# KiCad board tc2-panelized.kicad_pcb (continued)
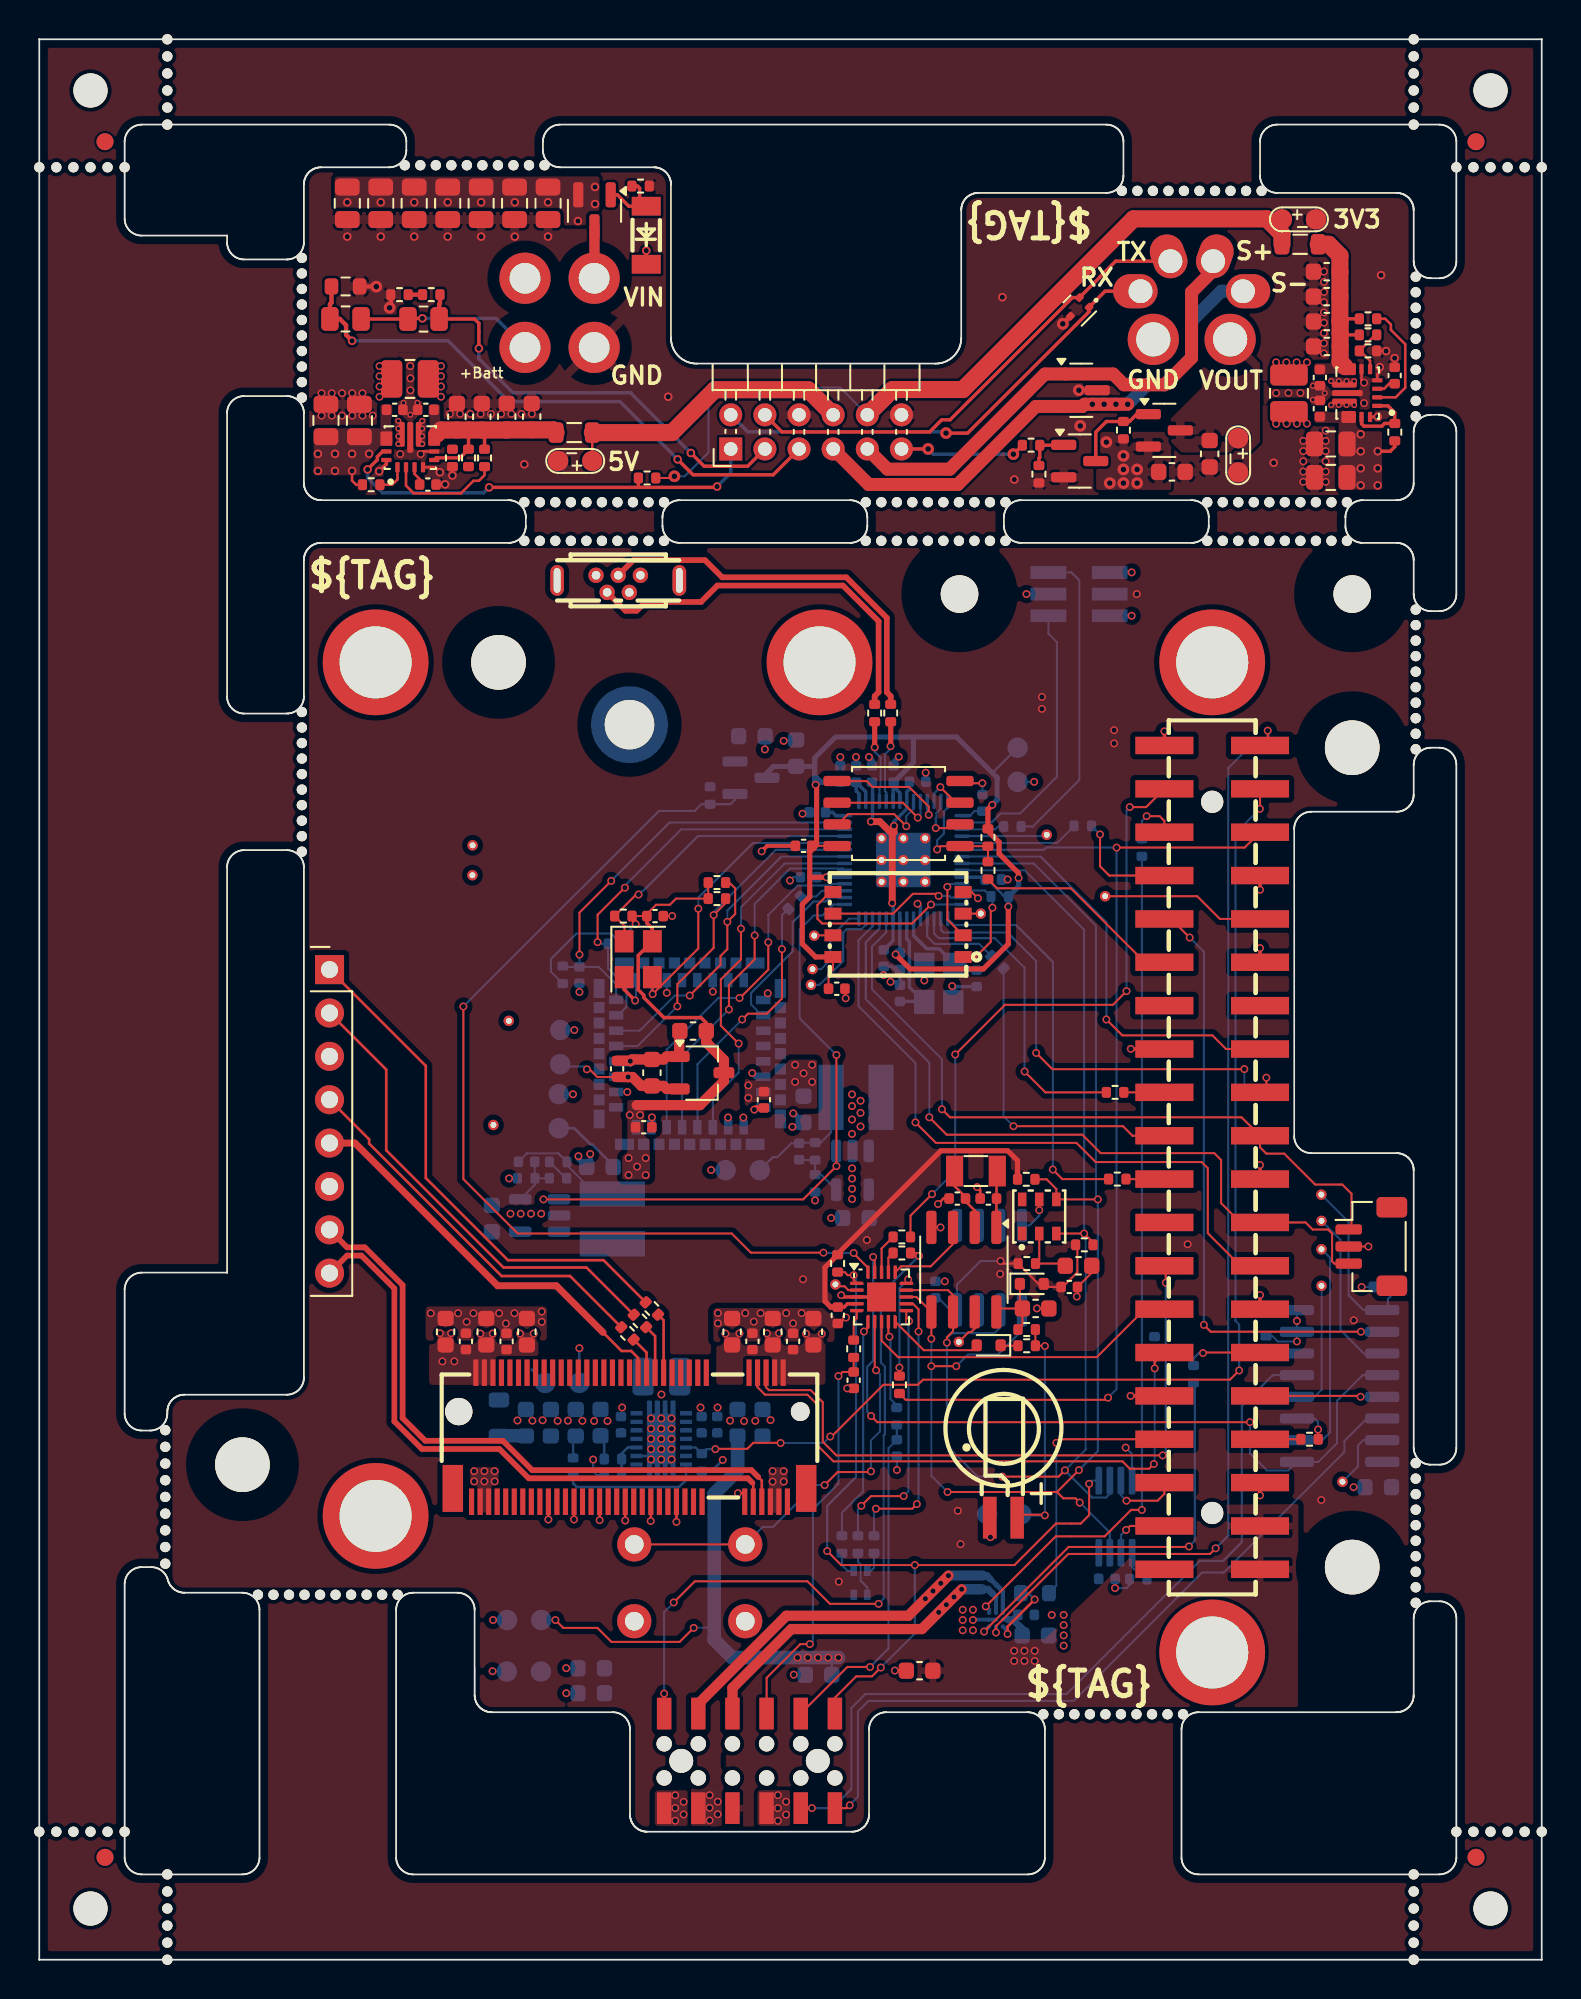
[diagram p0: board, top side]
## Placement (name value [footprint] x y rotation side) (continued)
KiKit_MB_7_7  -  [NPTH]  15.38 69.45 0 top
KiKit_MB_7_8  -  [NPTH]  15.38 70.36 0 top
KiKit_MB_7_9  -  [NPTH]  15.38 71.27 0 top
KiKit_MB_7_10  -  [NPTH]  15.38 72.18 0 top
KiKit_MB_7_11  -  [NPTH]  15.38 73.09 0 top
KiKit_MB_8_2  -  [NPTH]  20.99 21.38 0 top
KiKit_MB_8_3  -  [NPTH]  20.08 21.38 0 top
KiKit_MB_8_4  -  [NPTH]  19.17 21.38 0 top
KiKit_MB_8_5  -  [NPTH]  18.26 21.38 0 top
KiKit_MB_8_6  -  [NPTH]  17.35 21.38 0 top
KiKit_MB_8_7  -  [NPTH]  16.45 21.38 0 top
KiKit_MB_8_8  -  [NPTH]  15.54 21.38 0 top
KiKit_MB_8_9  -  [NPTH]  14.63 21.38 0 top
KiKit_MB_8_10  -  [NPTH]  13.72 21.38 0 top
KiKit_MB_8_11  -  [NPTH]  12.81 21.38 0 top
KiKit_MB_9_2  -  [NPTH]  48.41 83.12 0 top
KiKit_MB_9_3  -  [NPTH]  49.32 83.12 0 top
KiKit_MB_9_4  -  [NPTH]  50.23 83.12 0 top
KiKit_MB_9_5  -  [NPTH]  51.14 83.12 0 top
KiKit_MB_9_6  -  [NPTH]  52.05 83.12 0 top
KiKit_MB_9_7  -  [NPTH]  52.95 83.12 0 top
KiKit_MB_9_8  -  [NPTH]  53.86 83.12 0 top
KiKit_MB_9_9  -  [NPTH]  54.77 83.12 0 top
KiKit_MB_9_10  -  [NPTH]  55.68 83.12 0 top
KiKit_MB_9_11  -  [NPTH]  56.59 83.12 0 top
KiKit_MB_10_2  -  [NPTH]  56.59 85.38 0 top
KiKit_MB_10_3  -  [NPTH]  55.68 85.38 0 top
KiKit_MB_10_4  -  [NPTH]  54.77 85.38 0 top
KiKit_MB_10_5  -  [NPTH]  53.86 85.38 0 top
KiKit_MB_10_6  -  [NPTH]  52.95 85.38 0 top
KiKit_MB_10_7  -  [NPTH]  52.05 85.38 0 top
KiKit_MB_10_8  -  [NPTH]  51.14 85.38 0 top
KiKit_MB_10_9  -  [NPTH]  50.23 85.38 0 top
KiKit_MB_10_10  -  [NPTH]  49.32 85.38 0 top
KiKit_MB_10_11  -  [NPTH]  48.41 85.38 0 top
KiKit_MB_11_2  -  [NPTH]  80.62 98.59 0 top
KiKit_MB_11_3  -  [NPTH]  80.62 97.68 0 top
KiKit_MB_11_4  -  [NPTH]  80.62 96.77 0 top
KiKit_MB_11_5  -  [NPTH]  80.62 95.86 0 top
KiKit_MB_11_6  -  [NPTH]  80.62 94.95 0 top
KiKit_MB_11_7  -  [NPTH]  80.62 94.05 0 top
KiKit_MB_11_8  -  [NPTH]  80.62 93.14 0 top
KiKit_MB_11_9  -  [NPTH]  80.62 92.23 0 top
KiKit_MB_11_10  -  [NPTH]  80.62 91.32 0 top
KiKit_MB_11_11  -  [NPTH]  80.62 90.41 0 top
KiKit_MB_12_2  -  [NPTH]  36.59 85.38 0 top
KiKit_MB_12_3  -  [NPTH]  35.68 85.38 0 top
KiKit_MB_12_4  -  [NPTH]  34.77 85.38 0 top
KiKit_MB_12_5  -  [NPTH]  33.86 85.38 0 top
KiKit_MB_12_6  -  [NPTH]  32.95 85.38 0 top
KiKit_MB_12_7  -  [NPTH]  32.05 85.38 0 top
KiKit_MB_12_8  -  [NPTH]  31.14 85.38 0 top
KiKit_MB_12_9  -  [NPTH]  30.23 85.38 0 top
KiKit_MB_12_10  -  [NPTH]  29.32 85.38 0 top
KiKit_MB_12_11  -  [NPTH]  28.41 85.38 0 top
KiKit_MB_13_2  -  [NPTH]  63.41 103.62 0 top
KiKit_MB_13_3  -  [NPTH]  64.32 103.62 0 top
KiKit_MB_13_4  -  [NPTH]  65.23 103.62 0 top
KiKit_MB_13_5  -  [NPTH]  66.14 103.62 0 top
KiKit_MB_13_6  -  [NPTH]  67.05 103.62 0 top
KiKit_MB_13_7  -  [NPTH]  67.95 103.62 0 top
KiKit_MB_13_8  -  [NPTH]  68.86 103.62 0 top
KiKit_MB_13_9  -  [NPTH]  69.77 103.62 0 top
KiKit_MB_13_10  -  [NPTH]  70.68 103.62 0 top
KiKit_MB_13_11  -  [NPTH]  71.59 103.62 0 top
KiKit_MB_14_2  -  [NPTH]  21.41 105.12 0 top
KiKit_MB_14_3  -  [NPTH]  22.32 105.12 0 top
KiKit_MB_14_4  -  [NPTH]  23.23 105.12 0 top
KiKit_MB_14_5  -  [NPTH]  24.14 105.12 0 top
KiKit_MB_14_6  -  [NPTH]  25.05 105.12 0 top
KiKit_MB_14_7  -  [NPTH]  25.95 105.12 0 top
KiKit_MB_14_8  -  [NPTH]  26.86 105.12 0 top
KiKit_MB_14_9  -  [NPTH]  27.77 105.12 0 top
KiKit_MB_14_10  -  [NPTH]  28.68 105.12 0 top
KiKit_MB_14_11  -  [NPTH]  29.59 105.12 0 top
KiKit_MB_15_2  -  [NPTH]  15.38 91.51 0 top
KiKit_MB_15_3  -  [NPTH]  15.38 92.42 0 top
KiKit_MB_15_4  -  [NPTH]  15.38 93.33 0 top
KiKit_MB_15_5  -  [NPTH]  15.38 94.24 0 top
KiKit_MB_15_6  -  [NPTH]  15.38 95.15 0 top
KiKit_MB_15_7  -  [NPTH]  15.38 96.05 0 top
KiKit_MB_15_8  -  [NPTH]  15.38 96.96 0 top
KiKit_MB_15_9  -  [NPTH]  15.38 97.87 0 top
KiKit_MB_15_10  -  [NPTH]  15.38 98.78 0 top
KiKit_MB_15_11  -  [NPTH]  15.38 99.69 0 top
KiKit_MB_16_2  -  [NPTH]  76.59 85.38 0 top
KiKit_MB_16_3  -  [NPTH]  75.68 85.38 0 top
KiKit_MB_16_4  -  [NPTH]  74.77 85.38 0 top
KiKit_MB_16_5  -  [NPTH]  73.86 85.38 0 top
KiKit_MB_16_6  -  [NPTH]  72.95 85.38 0 top
KiKit_MB_16_7  -  [NPTH]  72.05 85.38 0 top
KiKit_MB_16_8  -  [NPTH]  71.14 85.38 0 top
KiKit_MB_16_9  -  [NPTH]  70.23 85.38 0 top
KiKit_MB_16_10  -  [NPTH]  69.32 85.38 0 top
KiKit_MB_16_11  -  [NPTH]  68.41 85.38 0 top
KiKit_MB_17_1  -  [NPTH]  7.5 112.5 0 top
KiKit_MB_17_2  -  [NPTH]  7.5 111.5 0 top
KiKit_MB_17_3  -  [NPTH]  7.5 110.5 0 top
KiKit_MB_17_4  -  [NPTH]  7.5 109.5 0 top
KiKit_MB_17_5  -  [NPTH]  7.5 108.5 0 top
KiKit_MB_17_6  -  [NPTH]  7.5 107.5 0 top
KiKit_MB_18_1  -  [NPTH]  80.5 112.5 0 top
KiKit_MB_18_2  -  [NPTH]  80.5 111.5 0 top
KiKit_MB_18_3  -  [NPTH]  80.5 110.5 0 top
KiKit_MB_18_4  -  [NPTH]  80.5 109.5 0 top
KiKit_MB_18_5  -  [NPTH]  80.5 108.5 0 top
KiKit_MB_18_6  -  [NPTH]  80.5 107.5 0 top
KiKit_MB_19_1  -  [NPTH]  7.5 5 0 top
KiKit_MB_19_2  -  [NPTH]  7.5 4 0 top
KiKit_MB_19_3  -  [NPTH]  7.5 3 0 top
KiKit_MB_19_4  -  [NPTH]  7.5 2 0 top
KiKit_MB_19_5  -  [NPTH]  7.5 1 0 top
KiKit_MB_19_6  -  [NPTH]  7.5 0 0 top
KiKit_MB_20_1  -  [NPTH]  80.5 5 0 top
KiKit_MB_20_2  -  [NPTH]  80.5 4 0 top
KiKit_MB_20_3  -  [NPTH]  80.5 3 0 top
KiKit_MB_20_4  -  [NPTH]  80.5 2 0 top
KiKit_MB_20_5  -  [NPTH]  80.5 1 0 top
KiKit_MB_20_6  -  [NPTH]  80.5 0 0 top
KiKit_MB_21_1  -  [NPTH]  0 105 0 top
KiKit_MB_21_2  -  [NPTH]  1 105 0 top
KiKit_MB_21_3  -  [NPTH]  2 105 0 top
KiKit_MB_21_4  -  [NPTH]  3 105 0 top
KiKit_MB_21_5  -  [NPTH]  4 105 0 top
KiKit_MB_21_6  -  [NPTH]  5 105 0 top
KiKit_MB_22_1  -  [NPTH]  0 7.5 0 top
KiKit_MB_22_2  -  [NPTH]  1 7.5 0 top
KiKit_MB_22_3  -  [NPTH]  2 7.5 0 top
KiKit_MB_22_4  -  [NPTH]  3 7.5 0 top
KiKit_MB_22_5  -  [NPTH]  4 7.5 0 top
KiKit_MB_22_6  -  [NPTH]  5 7.5 0 top
KiKit_MB_23_1  -  [NPTH]  83 105 0 top
KiKit_MB_23_2  -  [NPTH]  84 105 0 top
KiKit_MB_23_3  -  [NPTH]  85 105 0 top
KiKit_MB_23_4  -  [NPTH]  86 105 0 top
KiKit_MB_23_5  -  [NPTH]  87 105 0 top
KiKit_MB_23_6  -  [NPTH]  88 105 0 top
KiKit_MB_24_1  -  [NPTH]  83 7.5 0 top
KiKit_MB_24_2  -  [NPTH]  84 7.5 0 top
KiKit_MB_24_3  -  [NPTH]  85 7.5 0 top
KiKit_MB_24_4  -  [NPTH]  86 7.5 0 top
KiKit_MB_24_5  -  [NPTH]  87 7.5 0 top
KiKit_MB_24_6  -  [NPTH]  88 7.5 0 top
KiKit_TO_1  -  [NPTH#2]  3 109.5 0 top
KiKit_TO_2  -  [NPTH#2]  85 109.5 0 top
KiKit_TO_3  -  [NPTH#2]  3 3 0 top
KiKit_TO_4  -  [NPTH#2]  85 3 0 top

## Library data of the parts
Board_0-BT1 = -: LCSC: C80909
Board_0-C1 Board_0-C2 Board_0-C5 Board_0-C6 Board_0-C8 Board_0-C10-Board_0-C16 Board_0-C19 Board_0-C20 Board_0-C22 Board_0-C24 Board_0-C27 Board_0-C29 Board_0-C36 Board_0-C45 Board_0-C47 Board_0-C48 Board_0-C50 Board_0-C51 = -: LCSC: C16772
Board_0-C3 Board_0-C4 Board_0-C32 Board_0-C40-Board_0-C42 Board_0-C44 Board_0-C46 Board_0-C56 = -: LCSC: C1547
Board_0-C7 Board_0-C9 Board_0-C17 = -: LCSC: C52923
Board_0-C18 Board_0-C21 Board_0-C23 Board_0-C25 Board_0-C26 Board_0-C28 Board_0-C30 Board_0-C31 Board_0-C37-Board_0-C39 Board_0-C43 Board_1-C1 Board_1-C3 = -: LCSC: C19702
Board_0-C33-Board_0-C35 Board_0-C49 Board_0-C52-Board_0-C55 Board_0-C57-Board_0-C60 Board_0-C62 Board_0-C64-Board_0-C66 Board_1-C8-Board_1-C11 Board_1-C17-Board_1-C20 = -: LCSC: C86295
Board_0-C61 Board_0-C63 = -: Description: Unpolarized capacitor, small symbol; LCSC: C1555
Board_0-D2 Board_0-D3 = -: LCSC: C668989; Sim.Pins: 1=K 2=A
Board_0-FB1 Board_1-FB1 Board_1-FB2 = -: LCSC: C76818
Board_0-J1 Board_0-J2 Board_0-J5 Board_0-J6 Board_0-J8 = -: Description: Generic screw terminal, single row, 01x01, script generated (kicad-library-utils/schlib/autogen/connector/); LCSC: C2915630
Board_0-J3 = -: LCSC: C160389
Board_0-J4 = -: Datasheet: https://www.raspberrypi.org/documentation/hardware/raspberrypi/schematics/rpi_SCH_3bplus_1p0_reduced.pdf; Description: expansion header for Raspberry Pi 2 & 3; LCSC: C2685098
Board_0-J7 = -: Description: Generic screw terminal, single row, 01x01, script generated (kicad-library-utils/schlib/autogen/connector/); LCSC: C2928176
Board_0-J9 = -: LCSC: C3975129
Board_0-J10 = -: Digikey: BF100-12-A-D-1-0640-L-C; LCSC: C6470934
Board_0-J12 = -: Description: USB Micro Type B connector; LCSC: C145795
Board_0-L1 Board_0-L2 = -: LCSC: C354574
Board_0-L3 = -: LCSC: C285917
Board_0-LED1 = -: JLC Part: Extended Part; Manufacturer: 国星光电; LCSC: C2874115
Board_0-Q1 Board_1-Q1 Board_1-Q2 = -: LCSC: C15127
Board_0-R1 Board_0-R7 Board_0-R8 Board_0-R15 Board_0-R35 Board_0-R37 Board_0-R46 Board_0-R53 Board_1-R2 = -: LCSC: C11702
Board_0-R3-Board_0-R5 Board_0-R39 = -: LCSC: C38941
Board_0-R6 Board_0-R9 Board_0-R13 Board_0-R18 Board_0-R19 Board_0-R21-Board_0-R24 Board_0-R36 Board_0-R38 Board_0-R41 Board_0-R44 Board_0-R47 Board_0-R52 Board_1-R1 Board_1-R3 Board_1-R4 Board_1-R9 Board_1-R14 Board_1-R18 = -: LCSC: C25741
Board_0-R10 Board_0-R11 Board_0-R33 Board_0-R40 Board_0-R49 Board_1-R12 Board_1-R16 = -: LCSC: C25744
Board_0-R12 = -: LCSC: C22935
Board_0-R14 Board_0-R16 Board_0-R25-Board_0-R32 Board_0-R34 Board_0-R48 Board_0-R50 Board_0-R51 = -: LCSC: C25092
Board_0-R17 = -: LCSC: C25741; MPN: RC1005F103CS
Board_0-R20 = -: LCSC: C2943536
Board_0-R42 Board_0-R43 = -: LCSC: C26083
Board_0-R45 = -: LCSC: C25755
Board_0-SW1 = -: Description: Push button switch, generic, two pins
Board_0-U1 = -: Datasheet: http://ww1.microchip.com/downloads/en/DeviceDoc/ATtiny3216_ATtiny1616-data-sheet-40001997B.pdf; LCSC: C507118
Board_0-U2 = -: Datasheet: http://www.winbond.com/resource-files/w25q128jv_dtr%20revc%2003272018%20plus.pdf; LCSC: C97521
Board_0-U3 = -: Datasheet: https://datasheets.raspberrypi.com/rp2040/rp2040-datasheet.pdf; LCSC: C2040
Board_0-U4 = -: Datasheet: https://lcsc.com/product-detail/FLASH_Micron-Tech-MT29F2G01ABAGDWB-IT-G_C410863.html; JLC Part: Extended Part; Manufacturer: micron(镁光); LCSC: C410863
Board_0-U5 = -: Datasheet: https://www.ti.com/lit/ds/symlink/tps63020.pdf?HQS=dis-dk-null-digikeymode-dsf-pf-null-wwe&ts=1663326350484&ref_url=https%253A%252F%252Fwww.ti.com%252Fgeneral%252Fdocs%252Fsuppproductinfo.tsp%253FdistId%253D10%2526gotoUrl%253Dhttps%253A%252F%252Fwww.ti.com%252Flit%252Fgpn%252Ftps63020; LCSC: C15483
Board_0-U6 = -: Datasheet: https://www.nxp.com/docs/en/data-sheet/PCF8563.pdf; LCSC: C7440
Board_0-U7 = -: Datasheet: https://datasheet.lcsc.com/lcsc/1912111437_MICRONE-Nanjing-Micro-One-Elec-ME6216A28XG_C427601.pdf; LCSC: C427601
Board_0-U8 = -: Datasheet: https://cdn.sparkfun.com/datasheets/Sensors/Infrared/FLIR_Lepton_Data_Brief.pdf; LCSC: C585422; MPN: 1050281001
Board_0-U9 = -: Datasheet: https://datasheet.lcsc.com/lcsc/1810271633_SJK-SHENZHEN-CRYSTAL-TECH-3N25000G33YC_C252341.pdf; LCSC: C252341
Board_0-U10 Board_0-U11 = -: Datasheet: https://datasheet.lcsc.com/lcsc/1810182213_Techcode-Semicon-TD6810_C16510.pdf; LCSC: C16510
Board_0-U12 = -: LCSC: C2761526
Board_0-U13 = -: LCSC: C2757850
Board_0-U14 = -: JLC Part: Extended Part; Manufacturer: ADI(亚德诺); LCSC: C2682619
Board_0-U15 = -: Datasheet: https://lcsc.com/product-detail/Analog-Switches_AiP74HC4052_C111594.html; LCSC: C111594
Board_0-U16 = -: Datasheet: http://www.st.com/content/ccc/resource/technical/document/datasheet/b0/d8/50/40/5a/85/49/6f/DM00071904.pdf/files/DM00071904.pdf/jcr:content/translations/en.DM00071904.pdf; LCSC: C7562
Board_0-U18 = -: Datasheet: https://lcsc.com/product-detail/Interface-ICs_TI_TCA4311ADGKR_TCA4311ADGKR_C130025.html; LCSC: C130025
Board_0-Y1 = -: LCSC: C9002
Board_0-Y2 = -: LCSC: C32346
Board_1-C2 Board_1-C4 Board_1-C5 Board_1-C13 Board_1-C14 Board_1-C22-Board_1-C27 = -: LCSC: C45783
Board_1-C6 Board_1-C15 = -: LCSC: C159814
Board_1-C7 Board_1-C16 = -: LCSC: C15525
Board_1-C12 Board_1-C21 = -: LCSC: C100072
Board_1-D1 = -: LCSC: C7497481
Board_1-D2 = -: Datasheet: https://lcsc.com/product-detail/Others_ON-Semicon_UESD3-3DT5G_ON-Semicon-ON-UESD3-3DT5G_C233435.html; LCSC: C233435
Board_1-D3 = -: Datasheet: http://www.onsemi.com/pub/Collateral/MMBZ5V6ALT1-D.PDF; Description: Double Zener Diode, Common Anode, 225mW, SOT-23; LCSC: C236093
Board_1-J3 = -: Digikey: 2073-BF060-12A-B-0600-0280-0305-L-D-ND; LCSC: C7086099
Board_1-L1 Board_1-L2 = -: LCSC: C2042459
Board_1-Q3 = -: Datasheet: http://www.aosmd.com/pdfs/datasheet/AO3400A.pdf; Description: 30V Vds, 5.7A Id, N-Channel MOSFET, SOT-23; LCSC: C20917
Board_1-R5 Board_1-R6 = -: LCSC: C2984387
Board_1-R7 = -: LCSC: C326722
Board_1-R8 = -: LCSC: C445619
Board_1-R10 = -: LCSC: C445618
Board_1-R11 = -: LCSC: C319591
Board_1-R13 = -: LCSC: C723770
Board_1-U1 = -: Datasheet: https://lcsc.com/product-detail/DC-DC-Converters_TI_TPS63070RNMR_TPS63070RNMR_C109322.html; LCSC Part: C109322; LCSC: C109322
Board_1-U2 = -: Datasheet: https://lcsc.com/product-detail/DC-DC-Converters_TI_TPS63070RNMR_TPS63070RNMR_C109322.html; LCSC Part: C2876599; LCSC: C2876599

## Footprints (pads in the part's own frame, mm; a bottom-side part is the same pattern mirrored in y, then rotated)
C_0402_1005Metric
  rrect 0.56x0.62 smd: 1(-0.48,0) 2(0.48,0)
C_0603_1608Metric
  rrect 0.9x0.95 smd: 1(-0.775,0) 2(0.775,0)
C_0805_2012Metric
  rrect 1x1.45 smd: 1(-0.95,0) 2(0.95,0)
CAP-SMD_FL11E
  rect 2.45x0.79 smd: 1(0.175,0.805)
  rect 2.45x0.8 smd: 2(0.175,-0.8)
Crystal_SMD_3215-2Pin_3.2x1.5mm
  rect 1x1.8 smd: 1(1.25,0) 2(-1.25,0)
Crystal_SMD_3225-4Pin_3.2x2.5mm
  rect 1.4x1.2 smd: 1(-1.1,-0.85) 2(1.1,-0.85) 3(1.1,0.85) 4(-1.1,0.85)
D_SOD-523
  rrect 0.6x0.7 smd: 1(-0.7,0) 2(0.7,0)
Fiducial
  round 1 smd: (0,0)
HDR-SMD_40P-P2.54-V-F-R2-C20-LS8.2-EH
  round 1.3 hole 1.3 unplated: (0,20.83) (0,-20.83)
  rect 3.4x1.02 smd: 1(2.8,24.13) 2(-2.8,24.13) 3(2.8,21.59) 4(-2.8,21.59) 5(2.8,19.05) 6(-2.8,19.05) 7(2.8,16.51) 8(-2.8,16.51) 9(2.8,13.97) 10(-2.8,13.97) 11(2.8,11.43) 12(-2.8,11.43) 13(2.8,8.89) 14(-2.8,8.89) 15(2.8,6.35) 16(-2.8,6.35) 17(2.8,3.81) 18(-2.8,3.81) 19(2.8,1.27) 20(-2.8,1.27) 21(2.8,-1.27) 22(-2.8,-1.27) 23(2.8,-3.81) 24(-2.8,-3.81) 25(2.8,-6.35) 26(-2.8,-6.35) 27(2.8,-8.89) 28(-2.8,-8.89) 29(2.8,-11.43) 30(-2.8,-11.43) 31(2.8,-13.97) 32(-2.8,-13.97) 33(2.8,-16.51) 34(-2.8,-16.51) 35(2.8,-19.05) 36(-2.8,-19.05) 37(2.8,-21.59) 38(-2.8,-21.59) 39(2.8,-24.13) 40(-2.8,-24.13)
IND-SMD_L4.0-W4.0_SWPA4018S
  rect 1.48x3.82 smd: 1(1.46,0) 2(-1.46,0)
jcon-2+4pin-m16
  round 3 hole 2: 1(-2.25,-1.58) 6(2.25,-1.58)
  oval 2.6x2 hole 1.4: 2(-3,1.24) 5(3,1.24)
  oval 2.6x2 hole 1.4 rot 110: 3(-1.25,3)
  oval 2x2.6 hole 1.4 rot 160: 4(1.25,3)
jcon-4pin_m16
  round 3 hole 1.8: 1(-2.025,-2.025) 2(2.025,-2.025) 3(2.025,2.025) 4(-2.025,2.025)
JST_SH_BM03B-SRSS-TB_1x03-1MP_P1.00mm_Vertical
  rrect 0.6x1.55 smd: 1(-1,-1.325) 2(0,-1.325) 3(1,-1.325)
  rrect 1.2x1.8 smd: MP_1(2.3,1.2) MP_2(-2.3,1.2)
L_0805_2012Metric
  rrect 0.875x1.2 smd: 1(-1.062,0) 2(1.062,0)
L_1008_2520Metric
  rrect 1.25x2.2 smd: 1(-1.075,0) 2(1.075,0)
LED-ARRAY-SMD_4P-L1.6-W1.5-TL_NH-B1515RGBA
  rect 0.6x0.4 smd: 1(-0.7,0.4) 2(0.7,0.4) 3(0.7,-0.4) 4(-0.7,-0.4)
LL-34_L3.5-W1.5-RD
  rect 1.1x1.7 smd: 1(-1.7,0) 2(1.7,0)
M2_modem_mount_screw
  round 3.1 hole 2.9: 1(0,0)
  round 4.5 smd: 1(0,0)
M.2
  round 1.1 hole 1.1 unplated: (-10,-1.5)
  round 1.6 hole 1.6 unplated: (10,-1.5)
  rect 0.3x1.55 smd: 1(-9.25,3.78) 2(-9,-3.78) 3(-8.75,3.78) 4(-8.5,-3.78) 5(-8.25,3.78) 6(-8,-3.78) 7(-7.75,3.78) 8(-7.5,-3.78) 9(-7.25,3.78) 10(-7,-3.78) 11(-6.75,3.78) 20(-4.5,-3.78) 21(-4.25,3.78) 22(-4,-3.78) 23(-3.75,3.78) 24(-3.5,-3.78) 25(-3.25,3.78) 26(-3,-3.78) 27(-2.75,3.78) 28(-2.5,-3.78) 29(-2.25,3.78) 30(-2,-3.78) 31(-1.75,3.78) 32(-1.5,-3.78) 33(-1.25,3.78) 34(-1,-3.78) 35(-0.75,3.78) 36(-0.5,-3.78) 37(-0.25,3.78) 38(0,-3.78) 39(0.25,3.78) 40(0.5,-3.78) 41(0.75,3.78) 42(1,-3.78) 43(1.25,3.78) 44(1.5,-3.78) 45(1.75,3.78) 46(2,-3.78) 47(2.25,3.78) 48(2.5,-3.78) 49(2.75,3.78) 50(3,-3.78) 51(3.25,3.78) 52(3.5,-3.78) 53(3.75,3.78) 54(4,-3.78) 55(4.25,3.78) 56(4.5,-3.78) 57(4.75,3.78) 58(5,-3.78) 59(5.25,3.78) 60(5.5,-3.78) 61(5.75,3.78) 62(6,-3.78) 63(6.25,3.78) 64(6.5,-3.78) 65(6.75,3.78) 66(7,-3.78) 67(7.25,3.78) 68(7.5,-3.78) 69(7.75,3.78) 70(8,-3.78) 71(8.25,3.78) 72(8.5,-3.78) 73(8.75,3.78) 74(9,-3.78) 75(9.25,3.78)
  rect 1.2x2.75 smd: 76(10.35,3) 77(-10.35,3)
mic-pcb
  rect 2.1x0.75 smd: 1(1.8,1.27) 2(-1.8,1.27) 3(1.8,0) 4(-1.8,0) 5(1.8,-1.27) 6(-1.8,-1.27)
MICRO-USB-TH_MICRO-USB-A14
  round 0.9 hole 0.5: 1(-1.3,0.5) 2(-0.65,-0.5) 3(0,0.5) 4(0.65,-0.5) 5(1.3,0.5)
  oval 0.8x1.8 hole 0.4x1.45: 6(-3.58,0.2) 6(3.58,0.2)
MOLEX_105028-1001
  rect 0.65x1.1 smd: (-5.305,-3.825) (-5.305,3.825) (5.305,-3.825) (5.305,3.825)
  rect 0.65x0.65 smd: (-5.305,-2.7) (-5.305,-1.8) (-5.305,-0.9) (-5.305,0) (-5.305,0.9) (-5.305,1.8) (-5.305,2.7) (-2.7,-5.305) (-2.7,5.305) (-1.8,-5.305) (-1.8,5.305) (-0.9,-5.305) (-0.9,5.305) (0,-5.305) (0,5.305) (0.9,-5.305) (0.9,5.305) (1.8,-5.305) (1.8,5.305) (2.7,-5.305) (2.7,5.305) (5.305,-2.7) (5.305,-1.8) (5.305,-0.9) (5.305,0) (5.305,0.9) (5.305,1.8) (5.305,2.7)
  rect 1.1x0.65 smd: (-3.825,-5.305) (-3.825,5.305) (3.825,-5.305) (3.825,5.305)
  rect 0.84x0.5 smd: 1(-4.31,3.15) 2(-4.31,2.25) 3(-4.31,1.35) 4(-4.31,0.45) 5(-4.31,-0.45) 6(-4.31,-1.35) 7(-4.31,-2.25) 8(-4.31,-3.15) 17(4.31,-3.15) 18(4.31,-2.25) 19(4.31,-1.35) 20(4.31,-0.45) 21(4.31,0.45) 22(4.31,1.35) 23(4.31,2.25) 24(4.31,3.15)
  rect 0.5x0.84 smd: 9(-3.15,-4.31) 10(-2.25,-4.31) 11(-1.35,-4.31) 12(-0.45,-4.31) 13(0.45,-4.31) 14(1.35,-4.31) 15(2.25,-4.31) 16(3.15,-4.31) 25(3.15,4.31) 26(2.25,4.31) 27(1.35,4.31) 28(0.45,4.31) 29(-0.45,4.31) 30(-1.35,4.31) 31(-2.25,4.31) 32(-3.15,4.31)
MountingHole_2.2mm_M2
  round 4.4 hole 2.2 unplated: (0,0)
MountingHole_3.2mm_M3
  round 6.4 hole 3.2 unplated: (0,0)
MSOP-8_3x3mm_P0.65mm
  rrect 1.625x0.4 smd: 1(-2.112,0.975) 2(-2.112,0.325) 3(-2.112,-0.325) 4(-2.112,-0.975) 5(2.112,-0.975) 6(2.112,-0.325) 7(2.112,0.325) 8(2.112,0.975)
NPTH
  round 0.6 hole 0.6 unplated: (0,0)
NPTH#2
  round 2 hole 2 unplated: (0,0)
Oscillator_SMD_Abracon_ASE-4Pin_3.2x2.5mm
  rect 1.3x1.1 smd: 1(-1.05,-0.825) 2(1.05,-0.825) 3(1.05,0.825) 4(-1.05,0.825)
PinHeader_2x06_P2.00mm_Horizontal
  rect 1.35x1.35 hole 0.8: 1(0,0)
  oval 1.35x1.35 hole 0.8: 2(2,0) 3(0,-2) 4(2,-2) 5(0,-4) 6(2,-4) 7(0,-6) 8(2,-6) 9(0,-8) 10(2,-8) 11(0,-10) 12(2,-10)
power-pcb-3.1
  round 0.9 hole 0.9 unplated: (-5,1) (-5,-1) (-3,1) (-3,-1) (-1,1) (-1,-1) (1,1) (1,-1) (3,1) (3,-1) (5,1) (5,-1)
  round 1.4 hole 1.4 unplated: (-4,0) (4,0)
  rrect 0.85x1.86 smd: 1(-5,-2.77) 2(-5,2.77) 3(-3,-2.77) 4(-3,2.77) 5(-1,-2.77) 6(-1,2.77) 7(1,-2.77) 8(1,2.77) 9(3,-2.77) 10(3,2.77) 11(5,-2.77) 12(5,2.77)
R_0402_1005Metric
  rrect 0.54x0.64 smd: 1(-0.51,0) 2(0.51,0)
R_0603_1608Metric
  rrect 0.8x0.95 smd: 1(-0.825,0) 2(0.825,0)
R_0805_2012Metric
  rrect 1.025x1.4 smd: 1(-0.912,0) 2(0.912,0)
RP2040-QFN-56
  rrect 1.084x1.084 smd: (-0.637,-0.637) (-0.637,0.637) (0.637,-0.637) (0.637,0.637)
  rrect 0.875x0.2 smd: 1(-3.438,2.6) 2(-3.438,2.2) 3(-3.438,1.8) 4(-3.438,1.4) 5(-3.438,1) 6(-3.438,0.6) 7(-3.438,0.2) 8(-3.438,-0.2) 9(-3.438,-0.6) 10(-3.438,-1) 11(-3.438,-1.4) 12(-3.438,-1.8) 13(-3.438,-2.2) 14(-3.438,-2.6) 29(3.438,-2.6) 30(3.438,-2.2) 31(3.438,-1.8) 32(3.438,-1.4) 33(3.438,-1) 34(3.438,-0.6) 35(3.438,-0.2) 36(3.438,0.2) 37(3.438,0.6) 38(3.438,1) 39(3.438,1.4) 40(3.438,1.8) 41(3.438,2.2) 42(3.438,2.6)
  rrect 0.2x0.875 smd: 15(-2.6,-3.438) 16(-2.2,-3.438) 17(-1.8,-3.438) 18(-1.4,-3.438) 19(-1,-3.438) 20(-0.6,-3.438) 21(-0.2,-3.438) 22(0.2,-3.438) 23(0.6,-3.438) 24(1,-3.438) 25(1.4,-3.438) 26(1.8,-3.438) 27(2.2,-3.438) 28(2.6,-3.438) 43(2.6,3.438) 44(2.2,3.438) 45(1.8,3.438) 46(1.4,3.438) 47(1,3.438) 48(0.6,3.438) 49(0.2,3.438) 50(-0.2,3.438) 51(-0.6,3.438) 52(-1,3.438) 53(-1.4,3.438) 54(-1.8,3.438) 55(-2.2,3.438) 56(-2.6,3.438)
  round 0.6 hole 0.35: 57(-1.275,-1.275) 57(-1.275,0) 57(-1.275,1.275) 57(0,-1.275) 57(0,0) 57(0,1.275) 57(1.275,-1.275) 57(1.275,0) 57(1.275,1.275)
  rrect 3.2x3.2 smd: 57(0,0)
SENSOR-SMD_L3.0-W3.0-P1.00-BR
  rect 0.8x0.5 smd: 1(1,-1) 2(1,0) 3(1,1) 4(-1,1) 5(-1,0) 6(-1,-1)
sim-usb-pcb
  rect 1.7x1.7 hole 1: 1(0,0)
  oval 1.7x1.7 hole 1: 2(0,-2.54) 3(0,-5.08) 4(0,-7.62) 5(0,-10.16) 6(0,-12.7) 7(0,-15.24) 8(0,-17.78)
smd_nut_SMTSO25
  round 4.42 hole 4.22: 1(0,0)
  round 6.2 smd: 1(0,0)
SOIC-8_3.9x4.9mm_P1.27mm
  rrect 1.95x0.6 smd: 1(-2.475,1.905) 2(-2.475,0.635) 3(-2.475,-0.635) 4(-2.475,-1.905) 5(2.475,-1.905) 6(2.475,-0.635) 7(2.475,0.635) 8(2.475,1.905)
SOIC-8_5.23x5.23mm_P1.27mm
  rrect 1.6x0.6 smd: 1(-3.6,1.905) 2(-3.6,0.635) 3(-3.6,-0.635) 4(-3.6,-1.905) 5(3.6,-1.905) 6(3.6,-0.635) 7(3.6,0.635) 8(3.6,1.905)
SOP-16_3.9x9.9mm_P1.27mm
  rrect 2x0.6 smd: 1(-2.5,4.445) 2(-2.5,3.175) 3(-2.5,1.905) 4(-2.5,0.635) 5(-2.5,-0.635) 6(-2.5,-1.905) 7(-2.5,-3.175) 8(-2.5,-4.445) 9(2.5,-4.445) 10(2.5,-3.175) 11(2.5,-1.905) 12(2.5,-0.635) 13(2.5,0.635) 14(2.5,1.905) 15(2.5,3.175) 16(2.5,4.445)
SOT-23
  rrect 1.475x0.6 smd: 1(-0.938,0.95) 2(-0.938,-0.95) 3(0.938,0)
SOT-723
  rrect 0.45x0.4 smd: 1(-0.575,0.4) 2(-0.575,-0.4) 3(0.575,0)
SW_PUSH_6mm
  round 2 hole 1.1: 1(0,0) 1(6.5,0) 2(0,-4.5) 2(6.5,-4.5)
test-point-2p
  round 1.2 smd: 1(-1,0) 2(1,0)
TP
  round 0.61 hole 0.35: 1(0,0)
TPS63070
  rrect 0.6x0.25 smd: 1(-1.15,0.75) 2(-1.15,0.25) 3(-1.15,-0.25) 4(-1.15,-0.75) 7,8(0.51,-1.225) 12,13(0.51,1.225)
  rrect 0.25x0.6 smd: 5(-0.725,-1.4) 6(-0.225,-1.4) 7,8(0.275,-1.4) 7,8(0.775,-1.4) 12,13(0.275,1.4) 12,13(0.775,1.4) 14(-0.225,1.4) 15(-0.725,1.4)
  rrect 0.85x0.7 smd: 7,8(0.525,-1.4) 12,13(0.525,1.4)
  rrect 0.575x0.25 smd: 9(0.388,-0.5) 9(1.163,-0.5) 11(0.388,0.5) 11(1.163,0.5)
  rrect 1.45x0.35 smd: 9(0.775,-0.5) 11(0.775,0.5)
  rrect 0.72x0.25 smd: 10(0.14,0) 10(1.06,0)
  rrect 1.8x0.35 smd: 10(0.6,0)
TSOT-23
  rrect 1.22x0.65 smd: 1(-1.31,0.95) 2(-1.31,-0.95) 3(1.31,0)
TSOT-23-5
  rrect 1.325x0.6 smd: 1(-1.137,0.95) 2(-1.137,0) 3(-1.137,-0.95) 4(1.137,-0.95) 5(1.137,0.95)
U-PDFN-8_L6.0-W8.0-P1.27-BL
  rect 0.7x1 smd: 1(-1.91,-3.81) 2(-0.64,-3.81) 3(0.63,-3.81) 4(1.9,-3.81) 5(1.9,3.81) 6(0.63,3.81) 7(-0.64,3.81) 8(-1.91,3.81)
VQFN-20-1EP_3x3mm_P0.4mm_EP1.7x1.7mm
  rrect 0.69x0.69 smd: (-0.425,0.425) (-0.425,-0.425) (0.425,0.425) (0.425,-0.425)
  custom 0.8x0.2 smd: 1(-1.45,0.8) 5(-1.45,-0.8) 11(1.45,-0.8) 15(1.45,0.8)
  rrect 0.8x0.2 smd: 2(-1.45,0.4) 3(-1.45,0) 4(-1.45,-0.4) 12(1.45,-0.4) 13(1.45,0) 14(1.45,0.4)
  custom 0.2x0.8 smd: 6(-0.8,-1.45) 10(0.8,-1.45) 16(0.8,1.45) 20(-0.8,1.45)
  rrect 0.2x0.8 smd: 7(-0.4,-1.45) 8(0,-1.45) 9(0.4,-1.45) 17(0.4,1.45) 18(0,1.45) 19(-0.4,1.45)
  rect 1.7x1.7 smd: 21(0,0)
VSON-14_L4.0-W3.0-P0.50-BL-EP_TI_DSJ
  rect 0.25x0.7 smd: 1(-1.5,-1.45) 2(-1,-1.45) 3(-0.5,-1.45) 4(0,-1.45) 5(0.5,-1.45) 6(1,-1.45) 7(1.5,-1.45) 8(1.5,1.45) 9(1,1.45) 10(0.5,1.45) 11(0,1.45) 12(-0.5,1.45) 13(-1,1.45) 14(-1.5,1.45)
  custom 4.5x1.68 smd: 15(0,0)
WLP-9_L1.4-W1.3-P0.40-R3-C3-BR
  round 0.23 smd: A1(0.4,-0.4) A2(0,-0.4) A3(-0.4,-0.4) B1(0.4,0) B2(0,0) B3(-0.4,0) C1(0.4,0.4) C2(0,0.4) C3(-0.4,0.4)

## Nets
Board_0-/modem/3V3_L1: Board_0-L3.1 Board_0-U5.8 Board_0-U5.9
Board_0-/modem/3V3_L2: Board_0-L3.2 Board_0-U5.6 Board_0-U5.7
Board_1-/3V3_L1: Board_1-L1.1 Board_1-U1.11
Board_1-/3V3_L2: Board_1-L1.2 Board_1-U1.9
Board_1-/3V3_PHY: Board_1-C7.1 Board_1-C8.1 Board_1-C9.1 Board_1-C10.1 Board_1-C11.1 Board_1-FB1.1 Board_1-R11.1 Board_1-R14.1 Board_1-U1.7,8
Board_1-/5V_L1: Board_1-L2.1 Board_1-U2.11
Board_1-/5V_L2: Board_1-L2.2 Board_1-U2.9
Board_1-/5V_PHY: Board_1-C16.1 Board_1-C17.1 Board_1-C18.1 Board_1-C19.1 Board_1-C20.1 Board_1-FB2.1 Board_1-R15.1 Board_1-R18.1 Board_1-U2.5 Board_1-U2.7,8
Board_1-/VIN_PHY: Board_1-J1.2 Board_1-Q2.3
Board_0-4G_POWER_ON: Board_0-J4.15 Board_0-U12.6
Board_0-4G_USB_D+: Board_0-J11.7 Board_0-U12.7
Board_0-4G_USB_D-: Board_0-J11.8 Board_0-U12.9
Board_0-5V_EN: Board_0-J10.1 Board_0-R6.1 Board_0-U1.1 Board_0-U18.1
Board_0-+1V1: Board_0-C5.1 Board_0-C6.1 Board_0-C7.1 Board_0-U3.23 Board_0-U3.45 Board_0-U3.50
Board_0-+1V2: Board_0-C19.1 Board_0-C31.1 Board_0-C42.2 Board_0-L2.2 Board_0-R22.2 Board_0-TP8.2 Board_0-U8.7
Board_0-+2V8: Board_0-C22.1 Board_0-C23.1 Board_0-TP5.2 Board_0-U7.2 Board_0-U8.19
Board_0-+3V0: Board_0-C20.1 Board_0-C21.1 Board_0-C24.1 Board_0-C30.1 Board_0-C41.2 Board_0-L1.2 Board_0-R13.1 Board_0-R17.2 Board_0-R18.1 Board_0-R19.1 Board_0-R33.2 Board_0-R36.1 Board_0-TP4.2 Board_0-U7.3 Board_0-U8.16 Board_0-U9.4
Board_0-+3V3: Board_0-C1.2 Board_0-C17.1 Board_0-C25.1 Board_0-C26.1 Board_0-C37.1 Board_0-C43.1 Board_0-C48.2 Board_0-C50.2 Board_0-C65.1 Board_0-C66.1 Board_0-D3.2 Board_0-J9.4 Board_0-J10.10 Board_0-LED1.2 Board_0-Q1.2 Board_0-R6.2 Board_0-R10.1 Board_0-R11.1 Board_0-R24.1 Board_0-R38.2 Board_0-R39.1 Board_0-TP6.2 Board_0-U1.4 Board_0-U10.4 Board_0-U11.4 Board_0-U15.16 Board_0-U16.8 Board_0-U18.8
Board_0-+3V3_rp2040: Board_0-C2.1 Board_0-C8.1 Board_0-C9.1 Board_0-C10.1 Board_0-C11.1 Board_0-C12.1 Board_0-C13.1 Board_0-C14.1 Board_0-C15.1 Board_0-C16.1 Board_0-C38.1 Board_0-Q1.3 Board_0-R2.1 Board_0-R9.2 Board_0-TP3.2 Board_0-U2.8 Board_0-U3.1 Board_0-U3.10 Board_0-U3.22 Board_0-U3.33 Board_0-U3.42 Board_0-U3.43 Board_0-U3.44 Board_0-U3.48 Board_0-U3.49 Board_0-U4.8
Board_0-+3V8: Board_0-C32.2 Board_0-C33.1 Board_0-C34.1 Board_0-C35.1 Board_0-C36.2 Board_0-C40.2 Board_0-C51.2 Board_0-C57.1 Board_0-C58.1 Board_0-C59.1 Board_0-FB1.2 Board_0-TP1.2 Board_0-U12.2 Board_0-U12.4 Board_0-U12.70 Board_0-U12.72 Board_0-U12.74
Board_0-+5V: Board_0-C28.1 Board_0-C29.2 Board_0-C46.2 Board_0-C47.2 Board_0-C54.1 Board_0-C55.1 Board_0-C62.1 Board_0-C64.1 Board_0-J4.2 Board_0-J4.4 Board_0-J10.8 Board_0-TP10.2 Board_0-U5.10 Board_0-U5.11 Board_0-U14.A2
Board_0-/AHT21_VDD: Board_0-C39.1 Board_0-R39.2 Board_0-U13.2
Board_0-/ATtiny1616/ATTINY_PA3: Board_0-TP2.1 Board_0-U1.2
Board_0-/ATtiny1616/ATtiny_SW: Board_0-SW1.1 Board_0-U1.7
Board_0-/ATtiny1616/EN_PERIPH_POWER_PHY: Board_0-R46.1 Board_0-U1.17
Board_0-/ATtiny1616/~{LED_B_PHY}: Board_0-R4.1 Board_0-U1.11
Board_0-/ATtiny1616/~{LED_G_PHY}: Board_0-R3.1 Board_0-U1.12
Board_0-/ATtiny1616/~{LED_R_PHY}: Board_0-R5.1 Board_0-U1.6
Board_0-/ATtiny1616/~{PI_SHUTDOWN_PHY}: Board_0-R35.1 Board_0-U1.18
Board_0-/ATtiny1616/~{READ_ATTINY_CMD_REG_PHY}: Board_0-R15.1 Board_0-U1.15
Board_0-/GPIO2: Board_0-TP12.1 Board_0-U3.4
Board_0-/GPIO16: Board_0-TP26.1 Board_0-U3.27
Board_0-/GPIO17: Board_0-TP27.1 Board_0-U3.28
Board_0-/I2C_BUS_LOCK_PHY: Board_0-R53.2 Board_0-U3.5
Board_0-/Lepton/FB_1V2: Board_0-C42.1 Board_0-R22.1 Board_0-R23.1 Board_0-U11.5
Board_0-/Lepton/FB_3V0: Board_0-C41.1 Board_0-R20.1 Board_0-R21.1 Board_0-U10.5
Board_0-/Lepton/SW_1V2: Board_0-L2.1 Board_0-U11.3
Board_0-/Lepton/SW_3V0: Board_0-L1.1 Board_0-U10.3
Board_0-/MEM_~{HOLD}/IO3: Board_0-TP41.1 Board_0-U4.7
Board_0-/MEM_~{WP}/IO2: Board_0-TP40.1 Board_0-U4.3
Board_0-/modem/MODEM_3V8: Board_0-C45.2 Board_0-C49.1 Board_0-C52.1 Board_0-C53.1 Board_0-C60.1 Board_0-FB1.1 Board_0-R42.1 Board_0-R43.1 Board_0-U5.4 Board_0-U5.5
Board_0-/PDM_CLOCK_PHY: Board_0-R28.1 Board_0-U3.3
Board_0-/Raspberry_Pi/GPIO12: Board_0-J4.32 Board_0-TP22.1
Board_0-/Raspberry_Pi/RPI_SPI_CS_: Board_0-J4.24 Board_0-R31.1
Board_0-/Raspberry_Pi/RPI_SPI_MOSI_: Board_0-J4.19 Board_0-R14.1
Board_0-/Raspberry_Pi/RPI_SPI_SCLK_: Board_0-J4.23 Board_0-R32.1
Board_0-/Raspberry_Pi/~{UART_MULTIPLEX_EN}: Board_0-R41.2 Board_0-U15.6
Board_0-/RPI_SPI_MISO_PHY: Board_0-R48.1 Board_0-U3.18
Board_0-/RTC_BATTERY: Board_0-BT1.1 Board_0-R7.1 Board_0-R8.2 Board_0-TP13.2
Board_0-/RTC_CLKO: Board_0-TP17.1 Board_0-U6.7
Board_0-/RTC_OSCI: Board_0-C63.1 Board_0-U6.1 Board_0-Y2.2
Board_0-/RTC_OSCO: Board_0-C61.1 Board_0-U6.2 Board_0-Y2.1
Board_0-/RTC_VDD: Board_0-C18.1 Board_0-D3.1 Board_0-R8.1 Board_0-U6.8
Board_0-/USB_D+_PHY: Board_0-R50.1 Board_0-U3.47
Board_0-/USB_D-_PHY: Board_0-R51.1 Board_0-U3.46
Board_0-ATtiny_RESET_UPDI: Board_0-U1.19 Board_0-U15.1 Board_0-U15.12
Board_0-BATT_SENSE_HIGH_VOLTAGE_PHY: Board_0-R40.1 Board_0-U1.9
Board_0-BATT_SENSE_HV: Board_0-C44.2 Board_0-J10.3 Board_0-R40.2
Board_0-BATT_SENSE_LOW_VOLTAGE_PHY: Board_0-R49.1 Board_0-U1.5
Board_0-BATT_SENSE_LV: Board_0-C56.2 Board_0-J10.5 Board_0-R49.2
Board_0-BOOT_MODE: Board_0-J4.29 Board_0-R1.2
Board_0-EN_PERIPH_POWER: Board_0-J10.11 Board_0-R46.2
Board_0-GND: Board_0-BT1.2 Board_0-C1.1 Board_0-C2.2 Board_0-C3.1 Board_0-C4.1 Board_0-C5.2 Board_0-C6.2 Board_0-C7.2 Board_0-C8.2 Board_0-C9.2 Board_0-C10.2 Board_0-C11.2 Board_0-C12.2 Board_0-C13.2 Board_0-C14.2 Board_0-C15.2 Board_0-C16.2 Board_0-C17.2 Board_0-C18.2 Board_0-C19.2 Board_0-C20.2 Board_0-C21.2 Board_0-C22.2 Board_0-C23.2 Board_0-C24.2 Board_0-C25.2 Board_0-C26.2 Board_0-C27.2 Board_0-C28.2 Board_0-C29.1 Board_0-C30.2 Board_0-C31.2 Board_0-C32.1 Board_0-C33.2 Board_0-C34.2 Board_0-C35.2 Board_0-C36.1 Board_0-C37.2 Board_0-C38.2 Board_0-C39.2 Board_0-C40.1 Board_0-C43.2 Board_0-C44.1 Board_0-C45.1 Board_0-C46.1 Board_0-C47.1 Board_0-C48.1 Board_0-C49.2 Board_0-C50.1 Board_0-C51.1 Board_0-C52.2 Board_0-C53.2 Board_0-C54.2 Board_0-C55.2 Board_0-C56.1 Board_0-C57.2 Board_0-C58.2 Board_0-C59.2 Board_0-C60.2 Board_0-C61.2 Board_0-C62.2 Board_0-C63.2 Board_0-C64.2 Board_0-C65.2 Board_0-C66.2 Board_0-J3.2 Board_0-J4.6 Board_0-J4.9 Board_0-J4.14 Board_0-J4.20 Board_0-J4.25 Board_0-J4.30 Board_0-J4.34 Board_0-J4.39 Board_0-J9.2 Board_0-J9.3 Board_0-J9.6 Board_0-J10.6 Board_0-J10.12 Board_0-J11.3 Board_0-J11.6 Board_0-J12.5 Board_0-J12.6 Board_0-R21.2 Board_0-R23.2 Board_0-R41.1 Board_0-R44.2 Board_0-R45.2 Board_0-R47.1 Board_0-R52.1 Board_0-SW1.2 Board_0-TP1.1 Board_0-TP3.1 Board_0-TP4.1 Board_0-TP5.1 Board_0-TP6.1 Board_0-TP8.1 Board_0-TP10.1 Board_0-TP13.1 Board_0-TP14.1 Board_0-TP18.1 Board_0-TP19.1 Board_0-TP20.1 Board_0-U1.3 Board_0-U1.21 Board_0-U2.4 Board_0-U3.19 Board_0-U3.57 Board_0-U4.4 Board_0-U5.2 Board_0-U5.15 Board_0-U6.4 Board_0-U7.1 Board_0-U8.1 Board_0-U8.6 Board_0-U8.8 Board_0-U8.9 Board_0-U8.10 Board_0-U8.15 Board_0-U8.18 Board_0-U8.20 Board_0-U8.25 Board_0-U8.27 Board_0-U8.30 Board_0-U9.2 Board_0-U10.2 Board_0-U11.2 Board_0-U12.3 Board_0-U12.5 Board_0-U12.11 Board_0-U12.27 Board_0-U12.33 Board_0-U12.39 Board_0-U12.45 Board_0-U12.51 Board_0-U12.57 Board_0-U12.71 Board_0-U12.73 Board_0-U13.5 Board_0-U14.B2 Board_0-U14.C2 Board_0-U15.7 Board_0-U15.8 Board_0-U16.4 Board_0-U18.4 Board_0-Y1.2 Board_0-Y1.4
Board_0-I2C_BUS_LOCK: Board_0-J4.33 Board_0-R53.1
Board_0-I2S_BCLK: Board_0-R34.1 Board_0-U14.C1
Board_0-I2S_DOUT: Board_0-R30.1 Board_0-U14.B1
Board_0-I2S_LRCLK: Board_0-R29.1 Board_0-U14.C3
Board_0-LEPTON_CLK_EN: Board_0-R17.1 Board_0-U3.39 Board_0-U9.1
Board_0-LEPTON_I2C_SCL: Board_0-R36.2 Board_0-U3.37 Board_0-U8.21
Board_0-LEPTON_I2C_SDA: Board_0-R13.2 Board_0-U3.36 Board_0-U8.22
Board_0-LEPTON_MASTER_CLK: Board_0-U3.38 Board_0-U8.26 Board_0-U9.3
Board_0-LEPTON_POWER_EN: Board_0-U3.29 Board_0-U10.1 Board_0-U11.1
Board_0-LEPTON_PWR_DWN_L: Board_0-R18.2 Board_0-U3.40 Board_0-U8.23
Board_0-LEPTON_RESET_L: Board_0-C27.1 Board_0-R19.2 Board_0-U3.41 Board_0-U8.24
Board_0-LEPTON_SPI_CS: Board_0-U3.32 Board_0-U8.14
Board_0-LEPTON_SPI_MISO: Board_0-R16.1 Board_0-U3.31
Board_0-LEPTON_SPI_MOSI: Board_0-U3.35 Board_0-U8.11
Board_0-LEPTON_SPI_SCLK: Board_0-U3.34 Board_0-U8.13
Board_0-LEPTON_VSYNC: Board_0-U3.30 Board_0-U8.2
Board_0-MEM_SPI_MISO: Board_0-U3.11 Board_0-U4.2
Board_0-MEM_SPI_MOSI: Board_0-U3.14 Board_0-U4.5
